# Allegro board ultrasound_tnr_1000a_01_20171121.brd (continued)
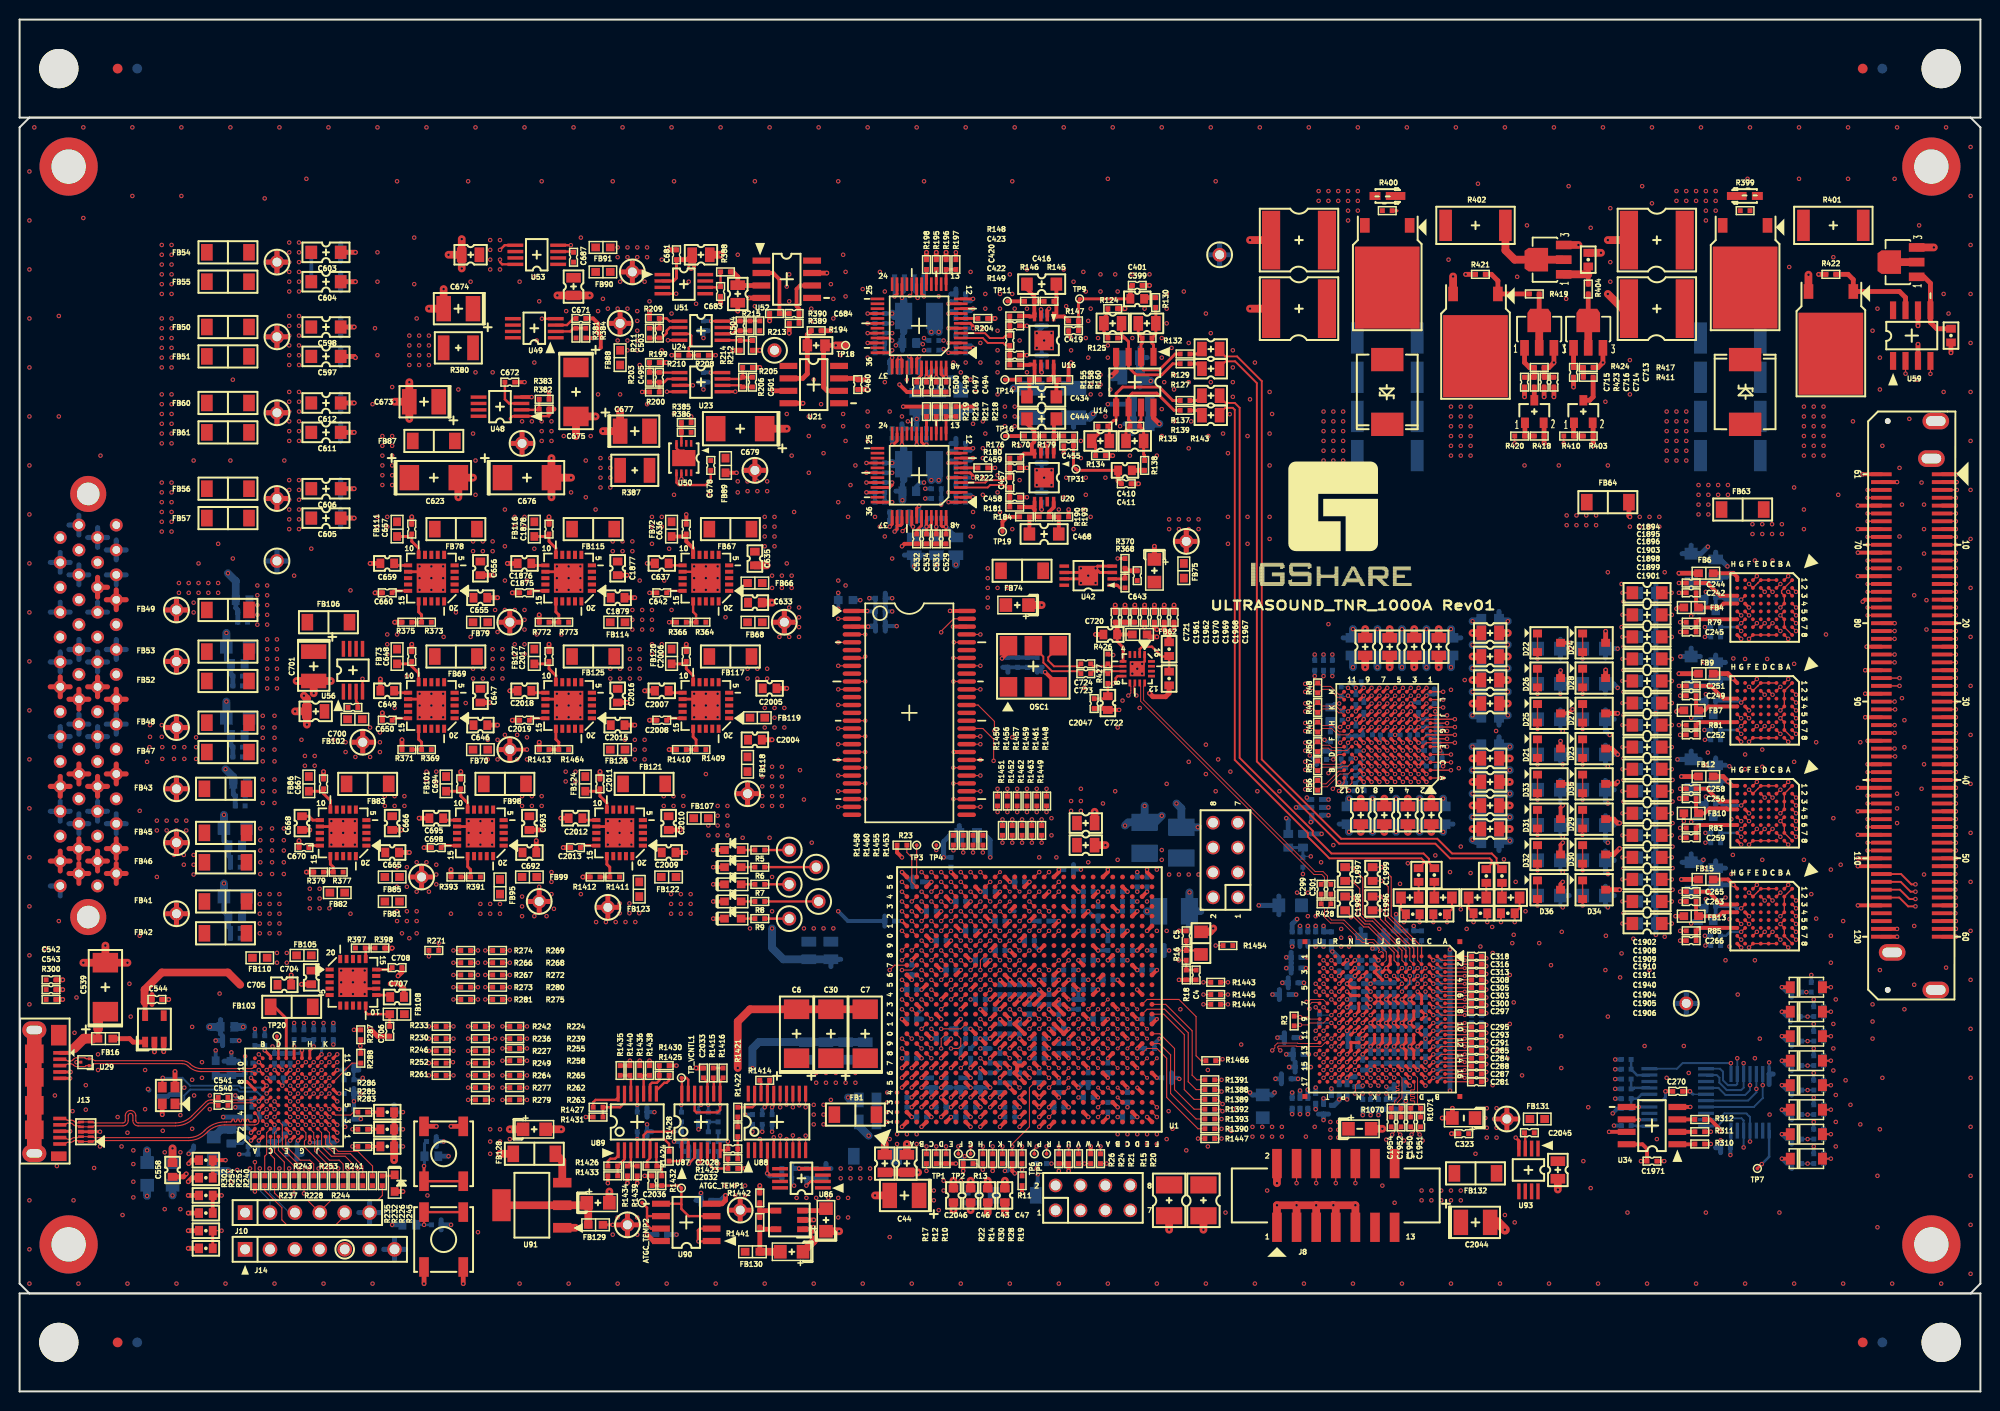
[diagram p0: board, top side]
## Routing (per net, layer and track width the routed paths; a pad name or vN(x,y) marks a point on that pad's centre or on a via; arc(x,y) is an arc through that point) (continued)
N17003699: length 7.9
  TOP w0.2: v1(144.2,47.9) C1992.2 ; U11.F3 v1(141.8,43.2)
  SIG3 w0.2: v1(144.2,47.9) 144.2,47.1 141.8,44.7 v1(141.8,43.2)
  BOTTOM w0.2: C1992.2 v1(144.2,47.9)
N17003703: length 9
  TOP w0.2: v1(141.2,47.9) 141.4,48.1 C1994.1 140.9,49.2 C1995.2 ; U11.G3 v1(141,43.2)
  SIG1 w0.2: v1(141.2,47.9) 141.2,47.7 141,47.5 v1(141,43.2)
  BOTTOM w0.2: C1994.1 141.4,48.1 v1(141.2,47.9)
N17003762: length 12.2
  TOP w0.2: U11.E3 v1(142.6,43.2) ; C1988.2 v1(149.7,47.9)
  SIG1 w0.2: v1(142.6,43.2) 142.6,43.9 147.1,48.4 149.2,48.4 v1(149.7,47.9)
  BOTTOM w0.2: v1(149.7,47.9) C1988.2
N17003764: length 1.5
  TOP w0.2: R1399.1 C1989.1
N17003766: length 12.8
  TOP w0.2: C1989.2 147.8,49.3 C1988.1 v1(148.3,47.9) ; U11.D4 v1(143.4,42.4)
  SIG1 w0.14: 143,43.7 143,42.8 v1(143.4,42.4)
  SIG1 w0.2: 143,43.7 147.3,48 148.2,48 v1(148.3,47.9)
  BOTTOM w0.2: v1(148.3,47.9) C1988.1
N17010190: length 4.7
  TOP w0.095: C1951.1 R1071.2 142.9,28.96 142.59,29.27 142.59,32.01 U11.E16
N17010192: length 5.9
  TOP w0.095: U11.E17 142.29,31.51 142.29,30.83 142.22,30.76 141.93,30.76 141.86,30.7 141.86,30.61 141.93,30.54 142.22,30.54 142.29,30.48 142.29,30.38 142.22,30.32 141.93,30.32 141.86,30.25 141.86,30.16 141.93,30.1 142.22,30.1 142.29,30.03 142.29,29.94 142.22,29.88 141.93,29.88 141.86,29.81 141.86,29.72 141.93,29.65 142.22,29.65 142.29,29.59 142.29,29.35 141.9,28.96 R1071.1 C1950.1
N17010194: length 4.9
  TOP w0.095: U11.G17 140.6,31.6 140.7,31.5 140.7,31.21 140.63,31.14 140.47,31.14 140.4,31.08 140.4,30.98 140.47,30.92 140.63,30.92 140.7,30.85 140.7,30.76 140.63,30.7 140.47,30.7 140.4,30.63 140.4,30.54 140.47,30.48 140.63,30.48 140.7,30.41 140.7,30.08 140.25,29.63 140.25,29.35 139.9,29 R1070.2 C1954.1
N17010196: length 4.9
  TOP w0.095: U11.G16 141,32 141,29.96 140.55,29.51 140.55,29.36 140.9,29.01 R1070.1 C1952.1
N17014505: length 1.6
  TOP w0.2: R1402.1 C1993.1
N17014517: length 1.6
  TOP w0.2: R1404.1 C1995.1
N17022342: length 12.6
  TOP w0.115: C1999.2 v1(138.9,53.5) 139.9,52.5 139.9,48.5 143,45.4 U11.D1
  BOTTOM w0.115: v1(138.9,53.5) C1999.2
N17022346: length 9.2
  TOP w0.115: U11.G2 140.2,44 140.2,44.8 137.6,47.4 137.1,47.4 136.1,48.4 v1(135.8,48.4) 135.8,48.5 C1998.1
  BOTTOM w0.115: C1998.1 135.8,48.5 v1(135.8,48.4)
N17022431: length 12.7
  TOP w0.115: C1997.2 135.9,52.1 v1(136,52) 136.7,51.3 136.7,48.6 137.3,48 138,48 141,45 141,44 U11.F2
  BOTTOM w0.115: v1(136,52) 135.9,52.1 C1997.2
N17022440: length 13.3
  TOP w0.115: C1997.1 135.9,53.5 v1(136,53.4) 137,52.4 137,48.7 137.4,48.3 138.1,48.3 141.4,45 U11.F1
  BOTTOM w0.115: C1997.1 135.9,53.5 v1(136,53.4)
N17022453: length 9.9
  TOP w0.115: U11.G1 140.6,44.8 137.7,47.7 137.2,47.7 136.4,48.5 136.4,50 v1(136,50.4) 135.9,50.5 C1998.2
  BOTTOM w0.115: C1998.2 135.9,50.5 v1(136,50.4)
N17022457: length 12.1
  TOP w0.115: U11.D2 142.6,44 142.6,45.4 139.6,48.4 139.6,51.5 139,52.1 v1(138.9,52.1) C1999.1
  BOTTOM w0.115: C1999.1 v1(138.9,52.1)
N17022512: length 8.5
  TOP w0.115: U11.E2 141.8,44 141.8,45.2 138.8,48.2 v1(138.8,49.1) C1996.2
  BOTTOM w0.115: C1996.2 v1(138.8,49.1)
N17022522: length 9.1
  TOP w0.115: C1996.1 v1(138.8,50.5) 139.3,50 139.3,48.1 142.2,45.2 U11.E1
  BOTTOM w0.115: v1(138.8,50.5) C1996.1
N17023500: length 5.1
  TOP w0.14: v1(141,41.6) U11.G5
  BOTTOM w0.14: C2000.2 140.6,42.2 141,41.8 v1(141,41.6)
N17023502: length 5.1
  TOP w0.14: v1(141.8,42.4) 141.8,41.6 U11.F5
  BOTTOM w0.14: v1(141.8,42.4) 141.4,42.8 C2001.2
N17033897: length 2.7
  TOP w0.13: C281.2 U11.A17
N17033922: length 1.3
  TOP w0.25: U11.C17 v1(144.2,32)
  BOTTOM w0.25: v1(144.2,32) C286.2
N17033924: length 2.7
  TOP w0.13: C287.2 U11.A16
N17033947: length 1.3
  TOP w0.25: U11.C16 v1(144.2,32.8)
  BOTTOM w0.25: v1(144.2,32.8) C282.2
N17033949: length 2.7
  TOP w0.13: C288.2 U11.A15
N17033963: length 1.3
  TOP w0.25: U11.C15 v1(144.2,33.6)
  BOTTOM w0.25: v1(144.2,33.6) C283.2
N17033965: length 2.7
  TOP w0.13: C284.2 U11.A14
N17033997: length 1.3
  TOP w0.25: U11.C14 v1(144.2,34.4)
  BOTTOM w0.25: v1(144.2,34.4) C289.2
N17033999: length 2.7
  TOP w0.13: C285.2 U11.A13
N17034022: length 1.3
  TOP w0.25: U11.C13 v1(144.2,35.2)
  BOTTOM w0.25: v1(144.2,35.2) C290.2
N17034024: length 2.7
  TOP w0.13: U11.A12 C291.2
N17034047: length 1.3
  TOP w0.25: U11.C12 v1(144.2,36)
  BOTTOM w0.25: v1(144.2,36) C292.2
N17034049: length 2.7
  TOP w0.13: C293.2 U11.A11
N17034063: length 1.3
  TOP w0.25: U11.C11 v1(144.2,36.8)
  BOTTOM w0.25: v1(144.2,36.8) C294.2
N17034074: length 2.7
  TOP w0.13: C295.2 U11.A10
N17034088: length 1.3
  TOP w0.25: U11.C10 v1(144.2,37.6)
  BOTTOM w0.25: v1(144.2,37.6) C296.2
N17034099: length 2.7
  TOP w0.13: C297.2 U11.A8
N17034113: length 1.3
  TOP w0.25: U11.C8 v1(144.2,38.4)
  BOTTOM w0.25: v1(144.2,38.4) C298.2
N17034115: length 2.7
  TOP w0.13: U11.A7 C300.2
N17034138: length 1.3
  TOP w0.25: U11.C7 v1(144.2,39.2)
  BOTTOM w0.25: v1(144.2,39.2) C302.2
N17034140: length 2.7
  TOP w0.13: C303.2 U11.A6
N17034163: length 1.3
  TOP w0.25: U11.C6 v1(144.2,40)
  BOTTOM w0.25: v1(144.2,40) C304.2
N17034165: length 2.7
  TOP w0.13: C305.2 U11.A5
N17034194: length 1.3
  TOP w0.25: U11.C5 v1(144.2,40.8)
  BOTTOM w0.25: v1(144.2,40.8) C306.2
N17034196: length 2.7
  TOP w0.13: C308.2 U11.A4
N17034219: length 2.7
  TOP w0.13: C313.2 U11.A3
N17034233: length 2.7
  TOP w0.13: C316.2 U11.A2
N17034256: length 2.7
  TOP w0.13: C318.2 U11.A1
N17034297: length 1.3
  TOP w0.25: U11.C4 v1(144.2,41.6)
  BOTTOM w0.25: C310.2 v1(144.2,41.6)
N17034299: length 1.3
  TOP w0.25: U11.C3 v1(144.2,42.4)
  BOTTOM w0.25: C315.2 v1(144.2,42.4)
N17034301: length 1.3
  TOP w0.25: U11.C2 v1(144.2,43.2)
  BOTTOM w0.25: C317.2 v1(144.2,43.2)
N17034303: length 1.3
  TOP w0.25: U11.C1 v1(144.2,44)
  BOTTOM w0.25: C319.2 v1(144.2,44)
N17034309: length 3.7
  TOP w0.13: U11.B17 145,32 v2(147.4,32)
  BOTTOM w0.25: v2(147.4,32) C1972.2
N17034358: length 3.7
  TOP w0.13: U11.B16 145,32.8 v2(147.4,32.8)
  BOTTOM w0.25: v2(147.4,32.8) C1973.2
N17034384: length 3.7
  TOP w0.13: U11.B15 145,33.6 v2(147.4,33.6)
  BOTTOM w0.25: v2(147.4,33.6) C1976.2
N17034392: length 3.7
  TOP w0.13: v2(147.4,34.4) 145,34.4 U11.B14
  BOTTOM w0.25: v2(147.4,34.4) C1974.2
N17034409: length 3.7
  TOP w0.13: v2(147.4,35.2) 145,35.2 U11.B13
  BOTTOM w0.25: v2(147.4,35.2) C1975.2
N17034435: length 3.7
  TOP w0.13: U11.B12 145,36 v2(147.4,36)
  BOTTOM w0.25: v2(147.4,36) C1977.2
N17034443: length 3.7
  TOP w0.13: v2(147.4,36.8) 145,36.8 U11.B11
  BOTTOM w0.25: v2(147.4,36.8) C1978.2
N17034469: length 3.7
  TOP w0.13: U11.B10 145,37.6 v2(147.4,37.6)
  BOTTOM w0.25: v2(147.4,37.6) C1979.2
N17034477: length 3.7
  TOP w0.13: v2(147.4,38.4) 145,38.4 U11.B8
  BOTTOM w0.25: v2(147.4,38.4) C1980.2
N17034503: length 3.7
  TOP w0.13: U11.B7 145,39.2 v2(147.4,39.2)
  BOTTOM w0.25: v2(147.4,39.2) C1981.2
N17034511: length 3.7
  TOP w0.13: v2(147.4,40) 145,40 U11.B6
  BOTTOM w0.25: v2(147.4,40) C1982.2
N17034528: length 3.7
  TOP w0.13: v2(147.4,40.8) 145,40.8 U11.B5
  BOTTOM w0.25: v2(147.4,40.8) C1983.2
N17034545: length 3.7
  TOP w0.13: U11.B4 145,41.6 v2(147.4,41.6)
  BOTTOM w0.25: v2(147.4,41.6) C1984.2
N17034562: length 3.7
  TOP w0.13: U11.B3 145,42.4 v2(147.4,42.4)
  BOTTOM w0.25: v2(147.4,42.4) C1985.2
N17034588: length 3.7
  TOP w0.13: v2(147.4,43.2) 145,43.2 U11.B2
  BOTTOM w0.25: C1986.2 v2(147.4,43.2)
N17034596: length 3.7
  TOP w0.13: U11.B1 145,44 v2(147.4,44)
  BOTTOM w0.25: C1987.2 v2(147.4,44)

## Copper pours and planes (outline as drawn; the poured copper is in the pictures)
A1V8P_AFE on TOP: 47.25,79.75 47.25,77.5 47.5,77.25 51.5,77.25 52,77.75 52,80 51.5,80.5 49.25,80.5 48.75,80 47.5,80
A1V8P_AFE on BOTTOM: 137.5,47.6 137.3,47.8 134.6,47.8 134.4,47.6 134.4,44.9 134.8,44.5 137.3,44.5 137.5,44.7
A1V8P_AFE on VCC2: 47,79.75 47,66.75 48.75,65 112,65 130,47 133.75,47 135.5,45.25 135.5,33.5 136,33 137,33 137.25,33.25 137.25,36 137.5,36.25 137.5,38.5 138,39 138,47.75 134.75,51 131.5,51 128,54.5 128,58.25 117.5,68.75 60,68.75 57.25,71.5 57.25,79 55.5,80.75 48,80.75
A3V3N_PLS on TOP: 117,89.25 116.5,88.75 116.5,86.5 117.25,85.75 117.25,84.5 117.75,84 120.5,84 121,84.5 121,88.75 120.5,89.25
A3V3N_PLS on VCC1: 116.5,89.25 116.5,86.25 135.25,67.5 144,67.5 144.5,68 144.5,69.5 144.25,69.75 138,69.75 135,72.75 135,73.25 122,86.25 122,89 121.25,89.75 117,89.75
A3V3N_VCNTL on TOP: 72,18.75 72,13.75 72.25,13.5 74.5,13.5 74.75,13.75 74.75,21 74.5,21.25 70.75,21.25 70.25,20.75 70.25,19.25 71.5,19.25
A3V3N_VCNTL on SIG3: 61,31 61,21.4 62.4,20 68.2,20 68.22,19.98 68.53,19.98 71.5,17 74.65,17 76.4,18.75 76.4,30.8 75.8,31.4 61.4,31.4
A3V3P_AFE on TOP: 61.25,79.5 61.25,77.5 61.5,77.25 64.75,77.25 65,77.5 65,79.75 64.75,80 61.75,80
A3V3P_AFE on TOP: 136.4,25.6 136.5,25.7 136.5,27.6 136.3,27.8 133.6,27.8 133.4,27.6 133.4,25.8 133.6,25.6
A3V3P_AFE on VCC2: 60,79.75 60,73.25 63.25,70 118,70 129,59 129,55 131.75,52.25 135.25,52.25 138.5,49 138.5,39 138,38.5 138,36 137.5,35.5 137.5,32.25 137,31.75 136.75,31.75 132.75,27.75 132.75,24.5 133.25,24 141.25,24 142.5,25.25 142.5,51.75 113.25,81 61.25,81
A3V3P_HVMUX on TOP: 75.25,83.25 75.25,82 75.75,81.5 79.25,81.5 79.5,81.75 79.5,83.25 79.25,83.5 75.5,83.5
A3V3P_HVMUX on SIG4: 74.75,83.25 74.75,81.5 76,80.25 163.5,80.25 165.25,78.5 165.25,45.25 166.5,44 172.5,44 173.75,45.25 173.75,80.25 168.5,85.5 81,85.5 79.25,83.75 75.25,83.75
A3V3P_PLS on TOP: 75.25,79 75.25,77.75 75.75,77.25 76.5,77.25 77.5,76.25 79.5,76.25 80,76.75 80,80 79.5,80.5 78,80.5 76.75,79.25 75.5,79.25
A3V3P_PLS on VCC1: 76,80.25 76,76.25 78,74.25 121,74.25 128.25,67 128.25,62.25 132.75,57.75 135.5,57.75 136,58.25 136,64.5 136.25,64.75 137.62,64.75 138,65.12 141,65.12 141,65.5 141.38,65.88 142.25,65.88 142.5,65.62 142.5,64.5 142.88,64.12 144.25,64.12 144.5,64.38 144.5,66.5 144.25,66.75 134.5,66.75 122.5,78.75 83.5,78.75 81.25,81 76.75,81
A3V3P_VCNTL on TOP: 59,17.5 59,15.5 60.25,14.25 65.75,14.25 66.25,14.75 66.25,15.5 64.5,15.5 63.5,16.5 63.5,18 62.75,18.75 61.5,18.75 60.75,18 59.5,18
A3V3P_VCNTL on SIG4: 56.8,28 56.8,15.4 57.2,15 65,15 65.6,15.6 65.6,19.75 66.1,20.25 80.5,20.25 81.5,21.25 81.5,29.25 80.35,30.4 59.2,30.4
A3V5P on TOP: 21.75,69.75 21.75,64 22,63.75 25.75,63.75 27,65 27,69.75 26.5,70.25 22.25,70.25
A3V5P on TOP: 73,89.75 73,87.25 74,86.25 74,85.5 74.25,85.25 77,85.25 77.5,85.75 77.5,89.75 77.25,90 73.25,90
A3V5P on TOP: 45,89.5 45,87 46,86 46,84.5 46.25,84.25 48.25,84.25 48.5,84.5 48.5,89.5 48.25,89.75 45.25,89.75
A3V5P on TOP: 59.25,89.5 59.25,87 60.25,86 60.25,84.5 60.5,84.25 62.5,84.25 62.75,84.5 62.75,89.5 62.5,89.75 59.5,89.75
A3V5P on BOTTOM: 22.5,69.5 22.5,64.25 22.75,64 26.25,64 26.5,64.25 26.5,69.5 26.25,69.75 22.75,69.75
A3V5P on SIG4: 22.75,70.25 22.75,64.5 24.25,63 45,63 48,66 48,75.25 49.75,77 71,77 73.5,79.5 73.5,84 74,84.5 78.5,84.5 79.5,85.5 79.5,89.75 78.75,90.5 37,90.5 35.5,89 35.5,77.5 28.75,70.75 23.25,70.75
A3V5P_IN on TOP: 12.75,68.75 12.75,66 14.5,64.25 20.25,64.25 20.75,64.75 20.75,69.25 20,70 14,70
A3V5P_IN on BOTTOM: 2.5,69 2.5,64.75 3.5,63.75 18.5,63.75 19,64.25 19,68.75 18,69.75 3.25,69.75
A5VN_CW on TOP: 71.38,94.12 71.38,92 71.88,91.5 77.25,91.5 77.75,92 77.75,95.12 77.25,95.62 74.75,95.62 73.38,94.25 71.5,94.25
A5VN_CW on BOTTOM: 100.25,97.75 100.75,97.25 104.5,97.25 105,97.75 105,100.5 104.75,100.75 100.5,100.75 100.25,100.5
A5VN_CW on VCC2: 111,86.5 121.75,97.25 121.75,111.75 118.75,114.75 76.25,114.75 72,110.5 72,87.75 73.25,86.5
A5VP_AFE on TOP: 147.4,28.9 147.4,26 147.7,25.7 150.7,25.7 150.75,25.75 151.65,25.75 153.1,27.2 154.4,27.2 154.6,27.4 154.6,29.1 154.2,29.5 148,29.5
A5VP_AFE on SIG2: 142.25,41 142.25,35 140.5,33.25 140.5,31.25 142.25,29.5 142.25,27.5 144.5,25.25 153,25.25 153.25,25.5 153.25,29.25 152,30.5 144.25,30.5 143.75,31 143.75,40 143.25,40.5 143.25,41 143,41.25 142.5,41.25
A5VP_BIAS on TOP: 44.25,62 44.5,62.25 44.5,63.5 44.25,63.75 41.5,63.75 41.25,63.5 41.25,62.25 41.5,62
A5VP_BIAS on TOP: 38.5,37.75 38.75,37.5 40.5,37.5 41.75,38.75 41.75,43.75 41,44.5 41,47 40.75,47.25 39,47.25 38.75,47 38.75,44.75 40.25,43.25 40.25,39.5 40,39.25 38.75,39.25 38.5,39
A5VP_BIAS on TOP: 37.5,75 39.25,75 39.5,75.25 39.5,77.25 39.25,77.5 37.5,77.5 37.25,77.25 37.25,75.25
A5VP_BIAS on TOP: 34.5,69 34.5,68 32.75,66.25 32.75,65 33.25,64.5 36.75,64.5 37.25,65 37.25,67.25 36.75,67.75 36.5,67.75 36.25,68 36.25,69 36,69.25 34.75,69.25
A5VP_BIAS on TOP: 67.25,88 67.5,88.25 67.5,89.5 67.25,89.75 64.5,89.75 64.25,89.5 64.25,88.25 64.5,88
A5VP_BIAS on TOP: 67.25,75 67.5,75.25 67.5,76.5 67.25,76.75 64.5,76.75 64.25,76.5 64.25,75.25 64.5,75
A5VP_BIAS on TOP: 58.45,62 58.7,62.25 58.7,63.5 58.45,63.75 55.7,63.75 55.45,63.5 55.45,62.25 55.7,62
A5VP_BIAS on TOP: 30.4,65.25 30.15,65.5 28.9,65.5 28.65,65.25 28.65,62.5 28.9,62.25 30.15,62.25 30.4,62.5
A5VP_BIAS on TOP: 53.25,88 53.5,88.25 53.5,89.5 53.25,89.75 50.5,89.75 50.25,89.5 50.25,88.25 50.5,88
A5VP_BIAS on TOP: 39.25,88 39.5,88.25 39.5,89.5 39.25,89.75 36.5,89.75 36.25,89.5 36.25,88.25 36.5,88
A5VP_BIAS on TOP: 53.25,75 53.5,75.25 53.5,76.5 53.25,76.75 50.5,76.75 50.25,76.5 50.25,75.25 50.5,75
A5VP_BIAS on SIG1: 27.75,48.75 30.75,45.75 76,45.75 79,48.75 79,88.25 76.75,90.5 36.75,90.5 27.75,81.5
A5VP_CW on TOP: 59.5,110.5 59.5,108.25 60.25,107.5 60.25,106 60.5,105.75 63,105.75 63.5,106.25 63.5,110.75 63.25,111 60,111
A5VP_CW on BOTTOM: 105.25,104 105.25,101.75 105.75,101.25 110.25,101.25 110.5,101.5 110.5,104.25 110.25,104.5 105.75,104.5
A5VP_CW on VCC1: 57.25,113.5 57.25,100.25 60,97.5 79.25,97.5 84,92.75 84,89 86.5,86.5 111.25,86.5 121.75,97 121.75,112.75 119.75,114.75 58.5,114.75
A6VN on TOP: 98.5,85 98.5,79.5 98.75,79.25 101.25,79.25 101.5,79.5 101.5,84.75 101,85.25 98.75,85.25
A6VN on TOP: 21.5,82.5 21.5,78 21.75,77.75 25.25,77.75 25.5,78 25.5,82.5 25.25,82.75 21.75,82.75
A6VN on TOP: 58.75,95.75 58.75,92 59.25,91.5 61.75,91.5 62.5,92.25 62.5,95.5 62,96 59,96
A6VN on TOP: 78.75,19.75 78.75,17.5 79,17.25 81.25,17.25 81.5,17.5 83,17.5 83.25,17.25 84.5,17.25 84.75,17.5 84.75,19.75 84.5,20 79,20
A6VN on BOTTOM: 23,82.5 23,78.25 23.5,77.75 25.75,77.75 26.25,78.25 26.25,82.25 25.75,82.75 23.25,82.75
A6VN on SIG1: 54,39.25 57.25,36 57.25,24.25 60.75,20.75 69.5,20.75 73.5,16.75 85,16.75 85.62,17.38 85.62,20.88 84.25,22.25 78.25,22.25 75.25,25.25 61.5,25.25 61,25.75 61,37.75 54.5,44.25 29,44.25 26,47.25 26,82.5 25.5,83 21.5,83 19.25,80.75 19.25,43.75 23.75,39.25
A6VN on VCC1: 40.83,77.92 47.4,84.5 79.75,84.5 84.75,79.5 101,79.5 101.5,80 101.5,85 101,85.5 86,85.5 83,88.5 83,92.25 79,96.25 39,96.25 36,93.25 36,88.5 34.3,86.8 24,86.8 23,85.8 23,78.5 23.57,77.92
A6VN_IN on TOP: 13.75,80.5 13.75,78.75 14.5,78 20.25,78 20.75,78.5 20.75,82.25 20.25,82.75 16,82.75
A6VN_IN on BOTTOM: 2.5,77.5 2.5,72.5 3.25,71.75 12.75,71.75 14.25,73.25 14.25,75.5 16.5,77.75 19.25,77.75 20.75,79.25 20.75,82.5 20.25,83 15.25,83 10.5,78.25 3.25,78.25
A6VP on TOP: 39,108 39,104.5 39.5,104 43.75,104 44.25,104.5 44.25,108.25 44,108.5 39.5,108.5
A6VP on TOP: 52,22.75 52.5,23.25 52.5,27.75 52.25,28 47.75,28 47.5,27.75 47.5,23 47.75,22.75
A6VP on TOP: 21.75,76.75 21.75,71.25 22,71 26.75,71 27.25,71.5 27.25,73.25 28,74 31.25,74 31.75,74.5 31.75,79.75 31.25,80.25 27,80.25 26.25,79.5 26.25,77.75 25.5,77 22,77
A6VP on TOP: 141.75,23.75 141.75,15.75 142.25,15.25 147.75,15.25 148.25,15.75 148.25,23.5 147.5,24.25 142.25,24.25
A6VP on TOP: 52,114 52.5,114.5 52.5,117.75 52.25,118 46.5,118 46.25,117.75 46.25,114.25 46.5,114
A6VP on BOTTOM: 22.5,76.75 22.5,71.5 23,71 26.25,71 26.75,71.5 26.75,76.75 26.5,77 22.75,77
A6VP on VCC1: 23.4,76.2 23.4,54.8 23.48,54.73 23.48,52.27 37.75,38 37.75,31 40.5,28.25 45.2,28.25 47.2,26.25 47.2,23 47.25,23 48,22.25 53.45,22.25 54.4,23.2 54.4,43.35 49.5,48.25 39,48.25 37,50.25 37,72 37.1,72.1 32.2,77 24.2,77
A6VP on SIG2: 46.75,27.25 46.75,18.75 51.75,13.75 142.5,13.75 147.25,18.5 147.25,21 146.5,21.75 57,21.75 55.25,23.5 55.25,27 54.5,27.75 47.25,27.75
A6VP on SIG3: 22.5,76.5 22.5,72 24,70.5 33,70.5 45.3,82.8 45.3,107.8 45.35,107.85 45.35,110.75 47.6,113 49.85,113 50.25,113.4 50.25,118 49.25,119 40,119 37.25,116.25 37.25,87.25 27.6,77.6 23.6,77.6
A6VP_IN on TOP: 2.75,73.75 2.75,69 3.75,68 11,68 13.75,70.75 20,70.75 20.75,71.5 20.75,76.25 19.75,77.25 14.75,77.25 12,74.5 3.5,74.5
A6VP_IN on SIG1: 2.75,73.75 2.75,69 3.75,68 11.75,68 13,69.25 17,69.25 18,70.25 18,76.75 17.5,77.25 13.5,77.25 10.75,74.5 3.5,74.5
A12VP on TOP: 36.75,98 36.75,91.5 37.25,91 41.25,91 41.75,91.5 41.75,98 41.25,98.5 37.25,98.5
A12VP on TOP: 171,88.75 171.25,88.5 175.25,88.5 175.5,88.75 175.5,92.5 175,93 171.25,93 171,92.75
A12VP on TOP: 21.5,63 21.5,59.75 22,59.25 26.25,59.25 26.75,59.75 26.75,63 26.5,63.25 21.75,63.25
A12VP on BOTTOM: 22.75,62.75 22.75,59.25 23,59 26.25,59 26.75,59.5 26.75,62.75 26.5,63 23,63
A12VP on SIG2: 35.25,97.75 35.25,86 37,84.25 79,84.25 82.5,80.75 97.5,80.75 99.5,82.75 110.25,82.75 117.5,90 170.25,90 171.75,88.5 175.25,88.5 175.5,88.75 175.5,92.5 174.25,93.75 114.75,93.75 109.5,88.5 98.75,88.5 96.25,86 86,86 81.5,90.5 41.5,90.5 39,93 39,97.75 38.5,98.25 35.75,98.25
A12VP on VCC2: 21.25,76.5 21.25,59.25 22.5,58 39.25,58 42.25,61 42.25,78 50.5,86.25 50.5,98.75 49,100.25 37.75,100.25 36,98.5 36,88.25 25.5,77.75 22.5,77.75
A12VP_HVMUX on TOP: 176.25,91.5 176.25,87.5 176.5,87.25 180,87.25 180.5,87.75 180.5,91.5 180,92 176.75,92
A12VP_HVMUX on VCC2: 168.75,85.25 168.75,45.75 169.5,45 172.25,45 174.2,46.95 174.2,83.6 175,84.4 178.65,84.4 180.5,86.25 180.5,88.5 180,89 176.25,89 175.25,88 171.5,88
A12VP_IN on TOP: 2.75,63.75 2.75,60 3.5,59.25 20.25,59.25 20.75,59.75 20.75,62.75 20,63.5 14,63.5 13,64.5 3.5,64.5
A12VP_IN on SIG1: 2.75,63.75 2.75,60 3.5,59.25 11,59.25 11.5,58.75 17.5,58.75 18,59.25 18,62.5 16.5,64 13.5,64 13,64.5 3.5,64.5
D1V2P_AFE on TOP: 38.25,53.5 38.25,51.5 38.5,51.25 39.75,51.25 40.25,50.75 42.25,50.75 43,51.5 43,53.75 42.5,54.25 40,54.25 39.5,53.75 38.5,53.75
D1V2P_AFE on BOTTOM: 129.7,51.1 129.7,48.5 129.3,48.1 129.3,46.8 129.4,46.7 134.1,46.7 134.2,46.8 134.2,47.1 132.2,49.1 132.2,51.2 132.1,51.3 129.9,51.3
D1V2P_AFE on VCC1: 39,50 45.25,50 47,51.75 47,61.75 45.25,63.5 45.25,67 47,68.75 119.5,68.75 124,64.25 124,39 126.5,36.5 126.5,29.75 127.38,28.88 134.62,28.88 137.5,31.75 137.5,54.5 135,57 132.5,57 131.25,58.25 127.62,61.88 127.62,66.62 120.75,73.5 46.5,73.5 38,65 38,51
D1V2P_FPGA_MGT on TOP: 38.25,50.5 38.25,48 38.5,47.75 41,47.75 41.25,48 41.25,49.5 40.75,50 40.25,50 39.5,50.75 38.5,50.75
D1V2P_FPGA_MGT on BOTTOM: 87.25,21.5 87.5,21.75 87.5,25 87,25.5 84,25.5 83.5,25 83.5,21.75 83.75,21.5
D1V2P_FPGA_MGT on VCC2: 36.75,49.5 36.75,46 36.77,45.98 36.77,37.23 36.8,37.2 36.8,24 41.3,19.5 87.5,19.5 88,20 88,23 87,24 45.6,24 43.33,26.27 43.33,48.92 42,50.25 37.5,50.25
D1V2P_USB on TOP: 29,51.5 29,49.1 29.6,48.5 31.8,48.5 32.2,48.9 32.2,51.7 32,51.9 29.4,51.9
D1V2P_USB on BOTTOM: 14.4,21.6 14.4,18.4 14.8,18 16.4,18 16.8,18.4 16.8,21.6 16.6,21.8 14.6,21.8
D1V2P_USB on BOTTOM: 18.6,24.2 18.6,21.6 19.2,21 22.2,21 22.6,21.4 22.6,22.6 22.2,23 20.8,23 20.6,23.2 20.6,24.4 18.8,24.4
D1V2P_USB on VCC2: 24,52.75 21.75,50.5 21.75,41 20.5,39.75 10.25,39.75 8,37.5 8,20.25 8.03,20.23 8.03,18.98 9.8,17.2 34.2,17.2 35.8,18.8 35.8,51.8 34.85,52.75
D1V8P_AFE on TOP: 74.25,58.75 77.75,58.75 78.25,59.25 78.25,63.75 77.75,64.25 75.5,64.25 75,63.75 72.5,63.75 72,63.25 72,61
D1V8P_AFE on BOTTOM: 125,28.5 125,25.75 125.25,25.5 129,25.5 129.5,26 129.5,27.75 128.25,29 125.5,29
D1V8P_AFE on VCC2: 71,63 71,52.25 73,50.25 113.75,50.25 119.5,44.5 119.5,25.5 120.75,24.25 131.75,24.25 132.25,24.75 132.25,28.25 134.75,30.75 134.75,44.75 133.25,46.25 129.5,46.25 111.62,64.12 72.12,64.12
D1V8P_FPGA on TOP: 59.15,51.05 58.4,50.3 58.4,47.8 58.8,47.4 64,47.4 64.4,47.8 64.4,50.6 63.95,51.05
D1V8P_FPGA on TOP: 115.5,19.5 122.25,19.5 123,20.25 123,23 121.75,24.25 118,24.25 117.5,24.75 117.5,26 116.75,26.75 112,26.75 111.25,26 111.25,23.5 111.75,23 114,23 114.75,22.25 114.75,20.25
D1V8P_FPGA on VCC2: 58,50.25 58,48 62.75,43.25 108.25,43.25 108.75,42.75 108.75,38.25 107.25,36.75 103.75,36.75 103.5,36.5 103.5,25 104.25,24.25 118,24.25 118.75,25 118.75,43.75 113,49.5 66.5,49.5 65.25,50.75 58.5,50.75
D1V8P_PLS on TOP: 75.5,67.75 75.75,67.5 78,67.5 78.25,67.75 78.25,70 78,70.25 75.75,70.25 75.5,70
D1V8P_PLS on SIG4: 73.75,70.5 73.75,66.75 75.5,65 104.75,65 112.75,73 131.5,73 132.25,72.25 132.25,56.75 132.75,56.25 134.5,56.25 135.25,57 135.25,58 135,58.25 135,61 135.5,61.5 137.25,61.5 137.5,61.75 137.5,72.5 137,73 136,73 135.25,73.75 135.25,75.25 134,76.5 110.25,76.5 105,71.25 74.5,71.25
D1V8P_VCCAUX on TOP: 66.7,53.25 66.7,51.25 66.2,50.75 66.2,48.75 66.7,48.25 68.7,48.25 69.2,48.75 69.2,53.25 68.95,53.5 66.95,53.5
D1V8P_VCCAUX on TOP: 90.75,21.25 90.75,18.75 91.25,18.25 94,18.25 94.25,18.5 94.25,19.75 94.5,20 101.25,20 101.5,20.25 101.5,21.75 101.25,22 92.75,22 92.25,21.5 91,21.5
D1V8P_VCCAUX on VCC1: 125.25,14.5 125.25,36.25 121.75,39.75 99.75,39.75 99.25,39.25 99.25,34.25 99.75,33.75 107.25,33.75 111,30 111,20.75 110.5,20.25 104.5,20.25 103,18.75 70.5,18.75 69.5,19.75 69.5,51.75 67.75,53.5 61.75,53.5 60.75,52.5 60.75,13.75 62.25,12.25 123,12.25
D1VP_FPGA_MGT on TOP: 83.75,26.5 84.25,27 84.25,29.25 83.25,30.25 81,30.25 80.5,29.75 80.5,27.5 81.5,26.5
D1VP_FPGA_MGT on TOP: 46.75,50.5 46.75,48.75 47,48.5 49.75,48.5 50,48.75 50,50.75 49.75,51 47.25,51
D1VP_FPGA_MGT on VCC2: 82.5,25.5 83.5,26.5 83.5,29.75 83,30.25 51.5,30.25 50,31.75 50,51 49.75,51.25 45.5,51.25 44.75,50.5 44.75,26.75 46,25.5
D1VP_VCCINT on TOP: 52.25,53 52.25,51.5 51.75,51 51,51 50.75,50.75 50.75,48.25 51,48 54.25,48 54.75,48.5 54.75,53 54.5,53.25 52.5,53.25
D1VP_VCCINT on TOP: 77.25,36.25 77.25,32.25 77.75,31.75 80.5,31.75 81.5,30.75 85.25,30.75 85.75,31.25 88.25,31.25 88.75,31.75 88.75,36.25 88.25,36.75 77.75,36.75
D1VP_VCCINT on BOTTOM: 79,34.5 79,31.75 80,30.75 87.25,30.75 87.75,31.25 87.75,33.75 87,34.5
D1VP_VCCINT on VCC2: 85.75,31.25 88.25,33.75 102.25,33.75 102.75,34.25 102.75,37.25 103,37.5 106.75,37.5 107.5,38.25 107.5,42.25 107.25,42.5 62.5,42.5 57.25,47.75 57.25,53.25 56.75,53.75 52,53.75 50.75,52.5 50.75,32.25 51.75,31.25
D2V5P_CLK on TOP: 61.25,66.5 61.25,64.5 61.5,64.25 64,64.25 64.25,64.5 64.25,66.5 64,66.75 61.5,66.75
D2V5P_CLK on SIG2: 60.25,69.5 60.25,63.5 62,61.75 71.25,61.75 78.62,69.12 113.12,69.12 118.5,74.5 118.5,80.25 117.5,81.25 100.75,81.25 96.25,76.75 70.25,76.75 64.25,70.75 61.5,70.75
D2V5P_FPGA on TOP: 47.25,66.5 47.25,64.5 47.75,64 51.5,64 52,64.5 52,67 51.5,67.5 49.25,67.5 48.75,67 47.75,67
D2V5P_FPGA on BOTTOM: 116.75,52 120.25,52 120.75,52.5 120.75,55 120,55.75 116.75,55.75 116.25,56.25 113.25,56.25 112.75,55.75 112.75,54 113.25,53.5 114.5,53.5 115,53 115.75,53
D2V5P_FPGA on BOTTOM: 114.25,49.5 114.25,47.75 114.5,47.5 115.25,47.5 116,46.75 117.25,46.75 117.75,47.25 117.75,50.25 117.5,50.5 115.25,50.5
D2V5P_FPGA on VCC1: 46.75,66.75 46.75,63.25 48.5,61.5 109.25,61.5 110,60.75 110,54.25 109.25,53.5 99.75,53.5 99.5,53.25 99.5,50.75 102.25,48 102.25,46.5 104.5,44.25 104.5,41 105,40.5 122,40.5 122.75,41.25 122.75,63.25 118.75,67.25 47.25,67.25
D2VP on TOP: 21.5,58 21.5,52.75 22,52.25 27.25,52.25 27.5,52.5 27.5,57.75 26.75,58.5 22,58.5
D2VP on TOP: 50,63.5 50,61 51,60 51,58.5 51.25,58.25 53.25,58.25 53.5,58.5 53.5,63.5 53.25,63.75 50.25,63.75
D2VP on TOP: 36,63.25 36,60.75 37,59.75 37,58.25 37.25,58 39.25,58 39.5,58.25 39.5,63.25 39.25,63.5 36.25,63.5
D2VP on BOTTOM: 22.25,58.25 22.25,52.5 22.5,52.25 27.25,52.25 27.5,52.5 27.5,58 27,58.5 22.5,58.5
D2VP on SIG2: 21.75,64.25 21.75,49.75 23.25,48.25 54.5,48.25 56.25,50 56.25,65.75 53.5,68.5 26,68.5
D2VP_IN on TOP: 13.5,58.25 13.5,56.25 17.25,52.5 20.25,52.5 20.75,53 20.75,57.75 20,58.5 13.75,58.5
D2VP_IN on BOTTOM: 2.5,54.75 5.25,52 18.75,52 19.25,52.5 19.25,57.5 17.75,59 12.25,59 11.25,60 11.25,60.75 10.75,61.25 3.25,61.25 2.5,60.5
D3V3P on TOP: 22.5,51.25 22.5,43.75 22.75,43.5 24,43.5 24.25,43.75 24.25,45.5 24.75,46 27,46 27.25,46.25 27.25,51 26.75,51.5 22.75,51.5
D3V3P on TOP: 64.45,63 64.45,61 65.45,60 65.45,58.5 65.7,58.25 67.25,58.25 68,57.5 69,57.5 69.25,57.75 69.25,62.75 68.75,63.25 64.7,63.25
D3V3P on TOP: 59,76.5 59,74 60,73 60,71.5 60.25,71.25 63.25,71.25 63.5,71.5 63.5,76.5 63.25,76.75 59.25,76.75
D3V3P on TOP: 45,76.5 45,74 46,73 46,71.5 46.25,71.25 49.25,71.25 49.5,71.5 49.5,76.5 49.25,76.75 45.25,76.75
D3V3P on TOP: 73,76.5 73,74 74,73 74,71.5 74.25,71.25 76.25,71.25 76.5,71.5 76.5,76.5 76.25,76.75 73.25,76.75
D3V3P on BOTTOM: 81.75,79.75 82,79.5 83.75,79.5 84,79.75 84,81.5 84.75,82.25 84.75,83 84.5,83.25 82.25,83.25 81.75,82.75
D3V3P on BOTTOM: 22.25,51 22.25,45.5 22.5,45.25 27,45.25 27.25,45.5 27.25,51 27,51.25 22.5,51.25
D3V3P on SIG3: 161.75,34.25 161.75,19.75 157.25,15.25 41,15.25 39,13.25 22.95,13.25 19.82,16.38 19.82,38.8 26,44.98 26,45 54.75,45 57.75,48 74.25,48 76.75,50.5 76.75,71.4 79,73.65 79.6,73.65 79.65,73.6 81.2,73.6 82.8,75.2 82.8,79 83.2,79.4 84,79.4 84.2,79.6 84.2,81.6 84.6,82 84.6,82.6 84,83.2 82.8,83.2 80.8,81.2 80.8,76.8 80.2,76.2 77,76.2 76.75,76.45 76.75,76.5 75.25,78 43,78 34.5,69.5 21.5,69.5 18.75,66.75 18.75,47.75 12.25,41.25 12.25,14 15,11.25 40.25,11.25 41,12 182.75,12 183.75,13 183.75,43 183,43.75 178.5,43.75 170,35.25 162.75,35.25
